# Altium PCB Wireless_Security_Board.PcbDoc (part 1 of 2) (continued)
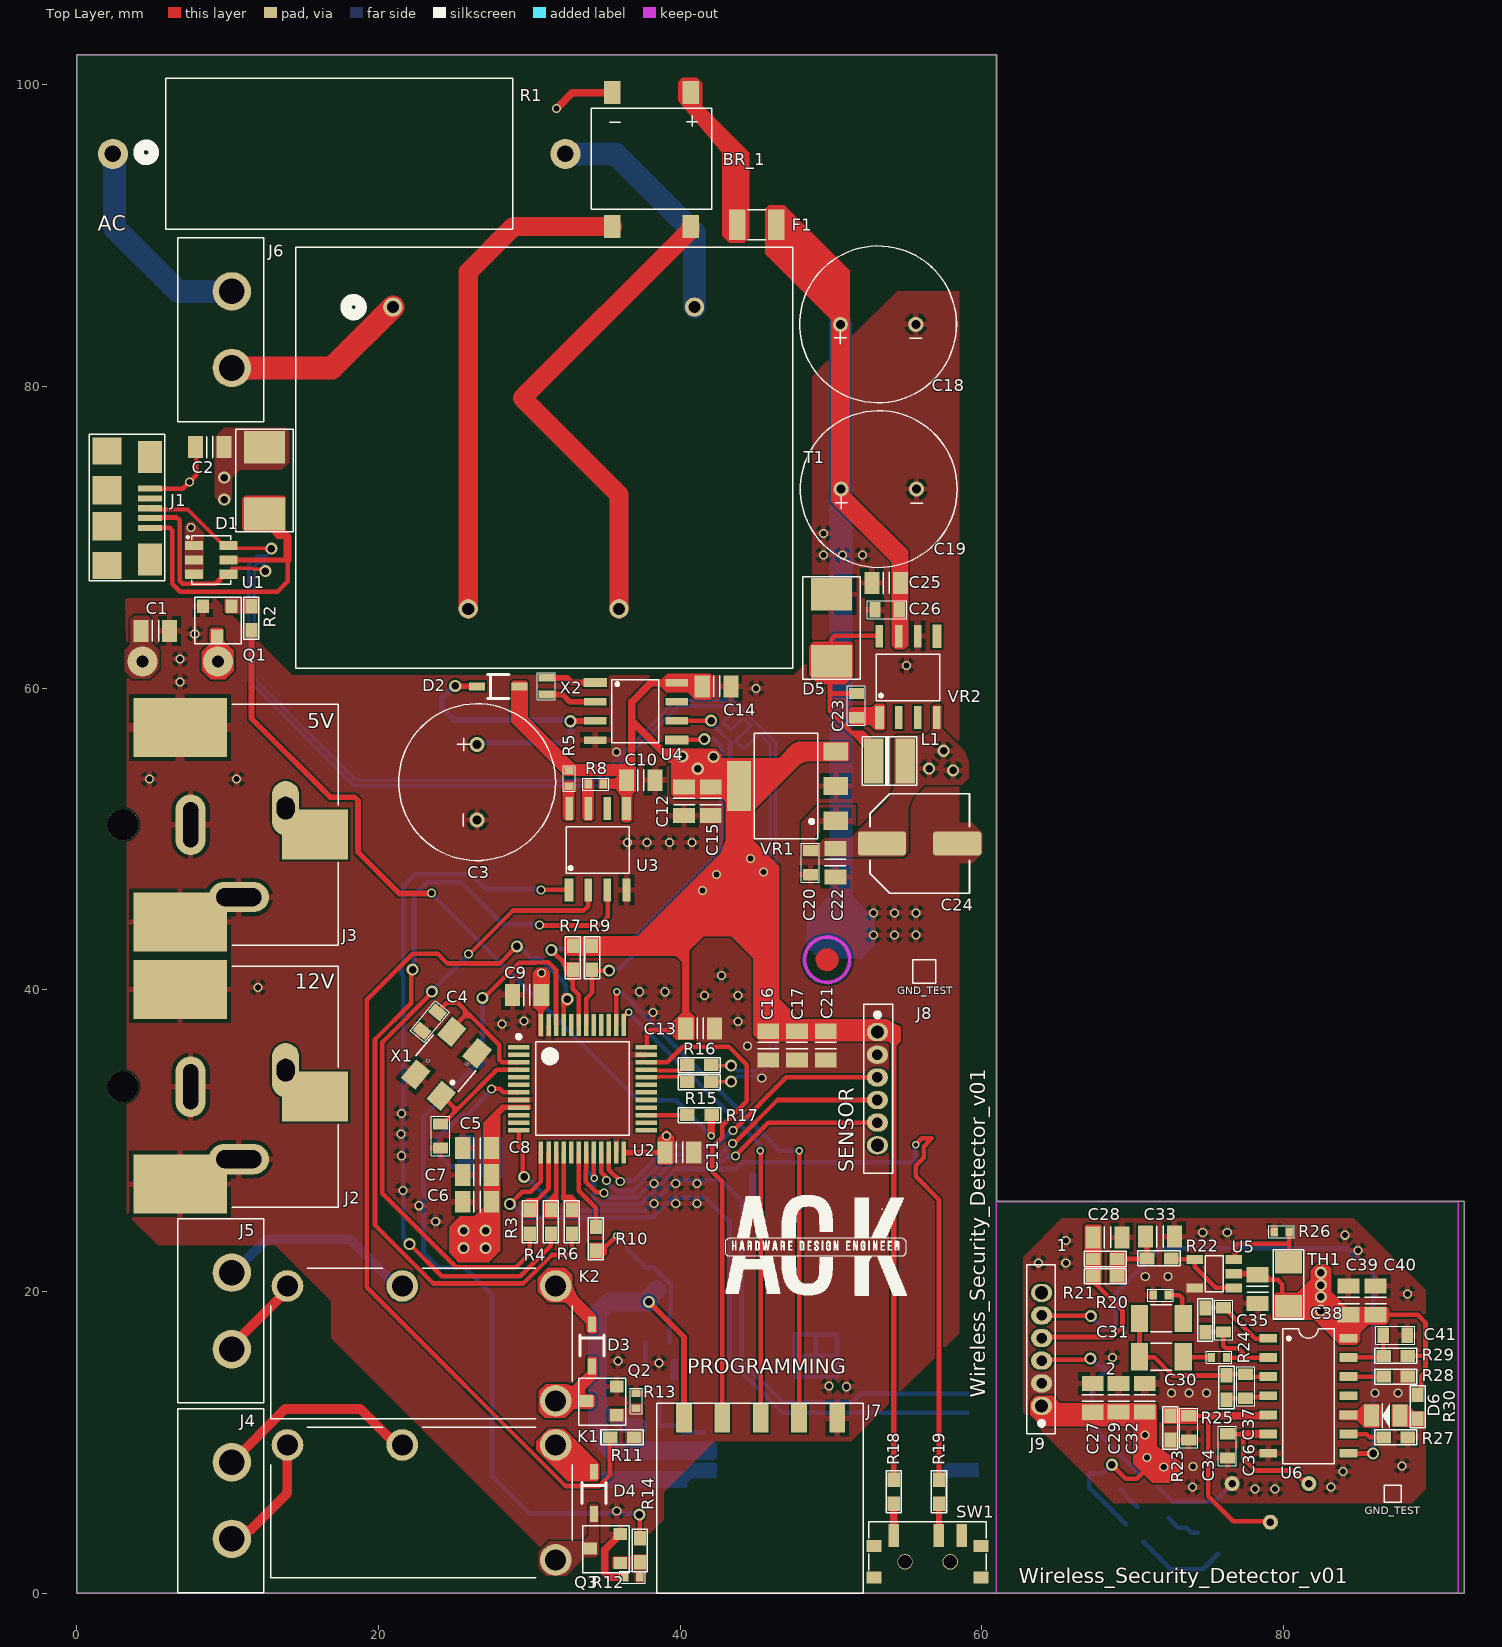
[diagram p0: Top Layer view]
## Part data (continued)
R7 R9: library part "RES 4K7 0603", "SMD Chip Resistor, 4.7 kOhm, ± 5%, 100 mW, 0603 [1608 Metric], Thick Film, General Purpose", Case Code (Metric)=1608, Case Code (Imperial)=0603, Manufacturer=Yageo, Max Operating Temperature=155°C, Max Power Dissipation=100mW, Min Operating Temperature=-55°C, Resistance Tolerance=5%, Resistor Type="Thick Film", Supplier Part Number=311-4.7KGRCT-ND, Temperature Coefficient=100ppm/°C, Voltage Rating=50V, Case/Package=0603, Category="Chip SMD Resistors", ComponentLink1Description=https://datasheet.ciiva.com/46412/443971-46412858.pdf?src-supplier=Element14, ComponentLink1URL=https://datasheet.ciiva.com/46412/443971-46412858.pdf?src-supplier=Element14, Construction=Rectangular, Depth=0.8mm, Designed By="Ahmet Can", Features="Moisture Resistant", Lead Free="Lead Free", Length=1.6mm, Manufacturer Part Number=RC0603JR-074K7L, Military Standard=Not, Number of Terminations=2, Packaging="Tape and Reel", Pins=2, Power Rating=100mW, Pricing="1=0,1, 10=0,014, 50=0,0088, 100=0,0073, 500=0,00486, 1000=0,00415 (USD)", Reach SVHC Compliant=No, RoHS=Yes, RoHS Compliant=Yes, Series=RC, Stock=7017381, Supplier=Digi-Key, Termination=SMD/SMT, Tolerance=5%, Voltage Rating (AC)=50V, Voltage Rating (DC)=50V, Width=0.8mm
R11 R14 R22 R30 R32 R34: library part "RES 1K 0603", "SMD Chip Resistor, 1 kOhm, ± 1%, 63 mW, 0402 [1005 Metric], Thick Film, General Purpose", Case Code (Metric)=1005, Case Code (Imperial)=0402, Manufacturer=Yageo, Max Operating Temperature=155°C, Max Power Dissipation=63mW, Min Operating Temperature=-55°C, Power Rating=62.5mW, Resistance Tolerance=1%, Resistor Type="Thick Film", Supplier Part Number=311-1.00KLRCT-ND, Temperature Coefficient=100ppm/°C, Voltage Rating=50V, Case/Package=0402, Category="Chip SMD Resistors", ComponentLink1Description=https://datasheet.ciiva.com/11819/0900766b80c66297-11819477.pdf?src-supplier=Rs, ComponentLink1URL=https://datasheet.ciiva.com/11819/0900766b80c66297-11819477.pdf?src-supplier=Rs, ComponentLink2Description=https://datasheet.ciiva.com/7983/1018594-7983502.pdf?src-supplier=Element14, ComponentLink2URL=https://datasheet.ciiva.com/7983/1018594-7983502.pdf?src-supplier=Element14, ComponentLink3Description=https://datasheet.ciiva.com/22747/1018594-22747513.pdf?src-supplier=Element14, ComponentLink3URL=https://datasheet.ciiva.com/22747/1018594-22747513.pdf?src-supplier=Element14, ComponentLink4Description=https://datasheet.ciiva.com/12666/pyu-rc0402-51-rohs-l-6-r-12666741.pdf?src-supplier=Mouser, ComponentLink4URL=https://datasheet.ciiva.com/12666/pyu-rc0402-51-rohs-l-6-r-12666741.pdf?src-supplier=Mouser, ComponentLink5Description=https://datasheet.ciiva.com/7849/1018594-7849869.pdf?src-supplier=Element14, ComponentLink5URL=https://datasheet.ciiva.com/7849/1018594-7849869.pdf?src-supplier=Element14, ComponentLink6Description=https://datasheet.ciiva.com/15189/getdatasheetpartid-409289-15189591.pdf?src-supplier=Verical, ComponentLink6URL=https://datasheet.ciiva.com/15189/getdatasheetpartid-409289-15189591.pdf?src-supplier=Verical, ComponentLink7Description=https://datasheet.ciiva.com/7849/1018594-7849871.pdf?src-supplier=Element14, ComponentLink7URL=https://datasheet.ciiva.com/7849/1018594-7849871.pdf?src-supplier=Element14, ComponentLink8Description=https://datasheet.ciiva.com/17063/pyu-rc0402-51-rohs-l-6-r-17063193.pdf?src-supplier=Future+Electronics, ComponentLink8URL=https://datasheet.ciiva.com/17063/pyu-rc0402-51-rohs-l-6-r-17063193.pdf?src-supplier=Future+Electronics, Construction=Rectangular, Depth=0.5mm, Designed By="Ahmet Can", Features="Moisture Resistant", Height=0.32mm, Lead Free="Lead Free", Length=1mm, Manufacturer Part Number=RC0402FR-071KL, Military Standard=Not, Number of Terminations=2, Packaging="Tape and Reel", Pins=2, Pricing="1=0,1, 10=0,014, 50=0,0084, 100=0,007, 500=0,00464, 1000=0,00396, 5000=0,00282 (USD)", Reach SVHC Compliant=No, RoHS=Yes, RoHS Compliant=Yes, Series=RC, Stock=23618166, Supplier=Digi-Key, Technology="THICK FILM", Termination=SMD/SMT, Tolerance=1%, Voltage Rating (AC)=50V, Voltage Rating (DC)=50V, Width=0.5mm
R15 R16: library part "RES 15 0603", "SMD Chip Resistor, 15 Ohm, ± 5%, 100 mW, 0603 [1608 Metric], Thick Film, General Purpose", Case/Package=0603, Manufacturer=Yageo, Supplier Part Number=311-15GRCT-ND, Temperature Coefficient=±100ppm/°C, Tolerance="± 5%", Category="Chip SMD Resistors", ComponentLink1Description=https://datasheet.ciiva.com/7746/443971-7746445.pdf?src-supplier=Element14, ComponentLink1URL=https://datasheet.ciiva.com/7746/443971-7746445.pdf?src-supplier=Element14, ComponentLink2Description=https://datasheet.ciiva.com/7746/443971-7746446.pdf?src-supplier=Element14, ComponentLink2URL=https://datasheet.ciiva.com/7746/443971-7746446.pdf?src-supplier=Element14, ComponentLink3Description=https://datasheet.ciiva.com/2453/pyu-r-int-thick-7-2453085.pdf?src-supplier=Digi-Key, ComponentLink3URL=https://datasheet.ciiva.com/2453/pyu-r-int-thick-7-2453085.pdf?src-supplier=Digi-Key, ComponentLink4Description=https://datasheet.ciiva.com/2453/pyu-r-int-thick-7-2453086.pdf?src-supplier=Digi-Key, ComponentLink4URL=https://datasheet.ciiva.com/2453/pyu-r-int-thick-7-2453086.pdf?src-supplier=Digi-Key, ComponentLink5Description=https://datasheet.ciiva.com/2453/pyu-r-int-thick-7-2453087.pdf?src-supplier=Digi-Key, ComponentLink5URL=https://datasheet.ciiva.com/2453/pyu-r-int-thick-7-2453087.pdf?src-supplier=Digi-Key, Composition="Thick Film", Designed By="Ahmet Can", Features="Moisture Resistant", Manufacturer Part Number=RC0603JR-0715RL, Pricing="1=0,1, 10=0,014, 50=0,0088, 100=0,0073, 500=0,00486, 1000=0,00415 (USD)", RoHS=Yes, Stock=973740, Supplier=Digi-Key
R20 R21 R29: library part "RES 220K 0603", "SMD Chip Resistor, 220 kOhm, ± 5%, 100 mW, 0603 [1608 Metric], Thick Film, General Purpose", Case/Package=0603, Manufacturer=Yageo, Max Operating Temperature=155°C, Min Operating Temperature=-55°C, Supplier Part Number=311-220KGRCT-ND, Temperature Coefficient=±100ppm/°C, Tolerance=±5%, Voltage Rating (AC)=50V, Category="Chip SMD Resistors", ComponentLink1Description=https://datasheet.ciiva.com/2452/pyu-r-int-thick-7-2452923.pdf?src-supplier=Digi-Key, ComponentLink1URL=https://datasheet.ciiva.com/2452/pyu-r-int-thick-7-2452923.pdf?src-supplier=Digi-Key, ComponentLink2Description=https://datasheet.ciiva.com/2452/pyu-r-int-thick-7-2452924.pdf?src-supplier=Digi-Key, ComponentLink2URL=https://datasheet.ciiva.com/2452/pyu-r-int-thick-7-2452924.pdf?src-supplier=Digi-Key, ComponentLink3Description=https://datasheet.ciiva.com/2452/pyu-r-int-thick-7-2452925.pdf?src-supplier=Digi-Key, ComponentLink3URL=https://datasheet.ciiva.com/2452/pyu-r-int-thick-7-2452925.pdf?src-supplier=Digi-Key, Composition="Thick Film", Designed By="Ahmet Can", Features="Moisture Resistant", Manufacturer Part Number=RC0603JR-07220KL, Pricing="1=0,1, 10=0,014, 50=0,0088, 100=0,0073, 500=0,00486, 1000=0,00415 (USD)", RoHS=Yes, Stock=938140, Supplier=Digi-Key
R23: library part "RES 43K 0603", "Res Thick Film 0603 43K Ohm 5% 0.1W(1/10W) ±100ppm/°C Pad SMD T/R", Case/Package=0603, Manufacturer=Yageo, Max Operating Temperature=155°C, Min Operating Temperature=-55°C, Supplier Part Number=311-43KGRCT-ND, Temperature Coefficient=±100ppm/°C, Tolerance=±5%, Category="Chip SMD Resistors", ComponentLink1Description=https://datasheet.ciiva.com/2453/pyu-r-int-thick-7-2453052.pdf?src-supplier=Digi-Key, ComponentLink1URL=https://datasheet.ciiva.com/2453/pyu-r-int-thick-7-2453052.pdf?src-supplier=Digi-Key, ComponentLink2Description=https://datasheet.ciiva.com/2453/pyu-r-int-thick-7-2453053.pdf?src-supplier=Digi-Key, ComponentLink2URL=https://datasheet.ciiva.com/2453/pyu-r-int-thick-7-2453053.pdf?src-supplier=Digi-Key, ComponentLink3Description=https://datasheet.ciiva.com/2453/pyu-r-int-thick-7-2453054.pdf?src-supplier=Digi-Key, ComponentLink3URL=https://datasheet.ciiva.com/2453/pyu-r-int-thick-7-2453054.pdf?src-supplier=Digi-Key, Composition="Thick Film", Designed By="Ahmet Can", Features="Moisture Resistant", Manufacturer Part Number=RC0603JR-0743KL, Pricing="1=0,1, 10=0,014, 50=0,0088, 100=0,0073, 500=0,00486, 1000=0,00415 (USD)", RoHS=Yes, Stock=290453, Supplier=Digi-Key
R27 R28: library part "RES 0K 0603", "Zero Ohm Resistor, Jumper, 0603 [1608 Metric], Thick Film, 100 mW, 1 A, Surface Mount", Case Code (Metric)=1608, Case Code (Imperial)=0603, Manufacturer=Yageo, Max Operating Temperature=155°C, Max Power Dissipation=100mW, Min Operating Temperature=-55°C, Package Quantity=5000, Resistance Tolerance=5%, Resistor Type="Thick Film", Supplier Part Number=311-0.0GRCT-ND, Temperature Coefficient=200ppm/°C, Tolerance=1%, Voltage Rating=50V, Case/Package=0603, Category="Chip SMD Resistors", Construction=Rectangular, Contact Plating=Tin,Matte, Depth=0.8mm, Designed By="Ahmet Can", Features="Moisture Resistant", Height=0.45mm, Lead Free="Lead Free", Length=1.6mm, Manufacturer Part Number=RC0603JR-070RL, Military Standard=Not, Number of Terminations=2, Packaging="Tape and Reel", Pins=2, Power Rating=100mW, Pricing="1=0,1, 10=0,016, 25=0,0112, 50=0,0086, 100=0,0063, 250=0,0048, 500=0,00386, 1000=0,00284 (USD)", Reach SVHC Compliant=Unknown, RoHS=Yes, RoHS Compliant=Yes, Series=RC, Stock=5815021, Supplier=Digi-Key, Technology="THICK FILM", Termination=SMD/SMT, Voltage Rating (DC)=50V, Width=0.8mm
S1: library part "PIR_LHI 878/3902", "Sensor PIR (Passive Infrared) TO-205AA, TO-5-3 Metal Can", Case/Package=LHI, Manufacturer="Excelitas Technologies", Max Supply Voltage=12V, Min Supply Voltage=2V, Supplier Part Number=1601-LHI878/3902-ND, Designed By="Ahmet Can", Manufacturer Product Number="LHI 878/3902", Output Type=Analog, Supplier=Digikey, Type=PIR
SW1: library part SW_EG1215AA, "Slide Switch, SPDT, 0.025A, 24V, SMD", Manufacturer=E-Switch, Max Operating Temperature=70°C, Min Operating Temperature=-20°C, Operating Force=150gf, Supplier Part Number=EG5720CT-ND, Voltage Rating (DC)=24V, Actuator Length=1.4mm, Actuator Type=Standard, Category="Slide Switches", ComponentLink1Description=https://media.digikey.com/pdf/Data%20Sheets/E-Switch%20PDFs/EG1215_Series_Ds.pdf?src-supplier=Digi-Key, ComponentLink1URL=https://media.digikey.com/pdf/Data%20Sheets/E-Switch%20PDFs/EG1215_Series_Ds.pdf?src-supplier=Digi-Key, ComponentLink2Description=http://www.farnell.com/datasheets/2645007.pdf?src-supplier=Farnell, ComponentLink2URL=http://www.farnell.com/datasheets/2645007.pdf?src-supplier=Farnell, Designed By="Ahmet Can", Electrical Life=10000Cycles, Manufacturer Part Number=EG1215AA, Mechanical Life=10000Cycles, Mounting Technology="Surface Mount", Packaging="Cut Tape", Pricing="1=0,99, 10=0,951, 25=0,8884, 100=0,7715, 250=0,702, 500=0,6508, 1000=0,60327 (USD)", RoHS=Yes, RoHS Compliant=Yes, Series=EG, Stock=17783, Supplier=Digi-Key, Switch Function=On-On, Switch Travel=1.5mm, Termination="Gull Wing", Throw Configuration=SPDT
T1: library part T_BV302S12010, "Sealed Transformer EI30/10.5", Manufacturer="Zettler Magnetics", Primary Voltager=230V, Rated Power=1VA, Secondary Voltage=12V, Supplier Part Number=3388-BV302S12010-ND, Category="Power Transformers", Designed By="Ahmet Can", Manufacturer Part Number=BV302S12010, Packaging=Tube, Pricing="1=3,22, 10=2,611, 25=2,1108, 50=1,9776, 100=1,8887, 250=1,83316, 500=1,7776, 1000=1,72205, 5000=1,58318 (USD)", RoHS=No, RoHS Compliant=No, Stock=898, Supplier=Digi-Key
TH1: library part TH_TFPT1206L1002FM, "Thermistor PTC 10K Ohm 1% 2-Pin 1206 Surface Mount Solder Pad T/R Automotive", Case Code (Imperial)=1206, Manufacturer="Vishay Dale", Max Operating Temperature=125°C, Max Power Dissipation=125mW, Min Operating Temperature=-55°C, Package Quantity=5000, Resistance Tolerance=1%, Supplier Part Number=541-3533-1-ND, Voltage=40V, Case/Package=1206, Category=Thermistors, ComponentLink1Description=https://datasheet.ciiva.com/2852/tfpt-2852076.pdf?src-supplier=Digi-Key, ComponentLink1URL=https://datasheet.ciiva.com/2852/tfpt-2852076.pdf?src-supplier=Digi-Key, Designed By="Ahmet Can", Height=0.55mm, Lead Free="Lead Free", Length=3.2mm, Manufacturer Part Number=TFPT1206L1002FM, Mounting Technology="Surface Mount", Packaging="Tape and Reel", Power Rating=125mW, Pricing="1=1,3, 10=0,973, 25=0,778, 100=0,7133, 500=0,59978, 1000=0,53495 (USD)", RoHS=Yes, RoHS Compliant=Yes, Series=TFPT, Stock=53, Supplier=Digi-Key, Termination=SMD/SMT, Tolerance=1%, Width=1.6mm
U1: library part "U_USB PROTECTION", "USBLC6 Series 2 Line 6 V Uni / Bi-Directional ESD Protection - SOT-23-6", Breakdown Voltage=6V, Case/Package=SOT-23, Clamping Voltage=17V, Leakage Current=150nA, Manufacturer=STMicroelectronics, Max Operating Temperature=125°C, Min Operating Temperature=-40°C, Operating Supply Voltage=1.1V, Package Quantity=3000, Peak Pulse Current=5A, Power Line Protection=Yes, Reverse Standoff Voltage=5.25V, Supplier Part Number=497-5235-1-ND, Test Current=1mA, Working Voltage=5V, Category="TVS Diodes", Clamping Voltage-Max=17V, ComponentLink1Description=https://datasheet.ciiva.com/1268/1690354-1268384.pdf?src-supplier=Element14, ComponentLink1URL=https://datasheet.ciiva.com/1268/1690354-1268384.pdf?src-supplier=Element14, ComponentLink2Description=https://datasheet.ciiva.com/4508/cd00050750-113117-4508433.pdf?src-supplier=Mouser, ComponentLink2URL=https://datasheet.ciiva.com/4508/cd00050750-113117-4508433.pdf?src-supplier=Mouser, ComponentLink3Description=https://datasheet.ciiva.com/15143/getdatasheetpartid-148465-15143789.pdf?src-supplier=Verical, ComponentLink3URL=https://datasheet.ciiva.com/15143/getdatasheetpartid-148465-15143789.pdf?src-supplier=Verical, ComponentLink4Description=https://datasheet.ciiva.com/16200/cd00050750-16200026.pdf?src-supplier=Future+Electronics, ComponentLink4URL=https://datasheet.ciiva.com/16200/cd00050750-16200026.pdf?src-supplier=Future+Electronics, ComponentLink5Description=https://datasheet.ciiva.com/41444/001184109-da-01-en-ic-esd-protecti-usblc6-2sc6-sot-23-6-stm-41444156.pdf?src-supplier=Conrad, ComponentLink5URL=https://datasheet.ciiva.com/41444/001184109-da-01-en-ic-esd-protecti-usblc6-2sc6-sot-23-6-stm-41444156.pdf?src-supplier=Conrad, Data Rate=480Mbps, Depth=1.75mm, Designed By="Ahmet Can", Direction=Unidirectional,Bidirectional, ESD Protection=Yes, Height=1.3mm, Lead Free="Lead Free", Length=3.05mm, Manufacturer Part Number=USBLC6-2SC6, Max Breakdown Voltage=6V, Max Reverse Leakage Current=150nA, Min Breakdown Voltage=6V, Mounting Technology="Surface Mount", Number of Bidirectional Channels=2, Number of Channels=2, Number of Elements=1, Packaging="Tape and Reel", Pins=6, Polarity=Unidirectional,Bidirectional, Pricing="1=0,61, 10=0,522, 100=0,3897, 500=0,3062, 1000=0,2366 (USD)", Radiation Hardening=No, Reach SVHC Compliant=No, Reverse Breakdown Voltage=6V, RoHS=Yes, RoHS Compliant=Yes, Series=USB, Stock=113981, Supplier=Digi-Key, Termination=SMD/SMT, Width=1.75mm
U2: library part U_STM32F103C6T6A, "MCU 32-bit STM32F ARM Cortex M3 RISC 32KB Flash 2.5V/3.3V 48-Pin LQFP Tray", Case/Package=LQFP, Clock Frequency=72MHz, Manufacturer=STMicroelectronics, Max Operating Temperature=85°C, Max Supply Voltage=3.6V, Min Operating Temperature=-40°C, Min Supply Voltage=2V, Package Quantity=1500, Supplier Part Number=497-11515-ND, Category=Microcontrollers, ComponentLink1Description=https://datasheet.ciiva.com/15122/getdatasheetpartid-69879-15122075.pdf?src-supplier=Verical, ComponentLink1URL=https://datasheet.ciiva.com/15122/getdatasheetpartid-69879-15122075.pdf?src-supplier=Verical, ComponentLink2Description=https://datasheet.ciiva.com/14100/pustm-arm-microcont-stm32f103-en-14100507.pdf?src-supplier=Distrelec, ComponentLink2URL=https://datasheet.ciiva.com/14100/pustm-arm-microcont-stm32f103-en-14100507.pdf?src-supplier=Distrelec, Core Architecture=ARM, Data Bus Width=32b, Designed By="Ahmet Can", Height=1.4mm, Lead Free="Lead Free", Length=7mm, Manufacturer Part Number=STM32F103C6T6A, Memory Format=FLASH, Memory Size=32KB, Number of ADC Channels=10, Number of Timers/Counters=3, Number of I/Os=37, Packaging=Tray, Pins=48, Pricing="1=6,37, 10=5,723, 25=5,4104, 80=4,689, 250=4,44852, 500=3,99166, 1000=3,36645, 2500=3,19813 (USD)", RAM Size=10KB, RoHS=Yes, RoHS Compliant=Yes, Series=STM32F103C6, Stock=188, Supplier=Digi-Key, Weight=0.006409oz, Width=7mm, Interface=I2C,SPI,USART
U3: library part U_MAX6662MSA+, "Temp Sensor Digital Serial (3-Wire, SPI) 8-Pin SOIC N Tube", Case/Package=SOIC, Manufacturer=Maxim, Max Operating Temperature=150°C, Max Supply Voltage=5.5V, Min Operating Temperature=-55°C, Min Supply Voltage=3V, Supplier Part Number=MAX6662MSA+-ND, Category="Temperature and Humidity Sensors", ComponentLink1Description=https://datasheet.ciiva.com/5299/max6662-89142-5299456.pdf?src-supplier=Mouser, ComponentLink1URL=https://datasheet.ciiva.com/5299/max6662-89142-5299456.pdf?src-supplier=Mouser, ComponentLink2Description=https://datasheet.ciiva.com/2003/max6662-2003390.pdf?src-supplier=Digi-Key, ComponentLink2URL=https://datasheet.ciiva.com/2003/max6662-2003390.pdf?src-supplier=Digi-Key, ComponentLink3Description=https://datasheet.ciiva.com/3277/max6662-3277979.pdf?src-supplier=Avnet, ComponentLink3URL=https://datasheet.ciiva.com/3277/max6662-3277979.pdf?src-supplier=Avnet, Designed By="Ahmet Can", Features="Output Switch, Programmable Limit, Shutdown Mode", Manufacturer Part Number=MAX6662MSA+, Output Type=SPI, Pins=8, Pricing="1=4,61, 10=3,454, 25=3,0704, 50=2,9168, 100=2,8401, 500=2,37956, 1000=2,22604 (USD)", Resolution="12 b", RoHS=Yes, Stock=593, Supplier=Digi-Key
U4: library part RTC_M41T0M6F, "M41T0 Series 2 to 5.5 V Serial I2C Real Time Clock Surface Mount - SOIC-8", Case/Package=SOIC, Manufacturer=STMicroelectronics, Max Operating Temperature=85°C, Max Supply Voltage=5.5V, Min Operating Temperature=-40°C, Min Supply Voltage=2V, Supplier Part Number=497-4698-1-ND, Temperature Grade=INDUSTRIAL, Category="Real Time Clocks", ComponentLink1Description=https://datasheet.ciiva.com/4772/cd00003139-81284-4772149.pdf?src-supplier=Mouser, ComponentLink1URL=https://datasheet.ciiva.com/4772/cd00003139-81284-4772149.pdf?src-supplier=Mouser, ComponentLink2Description=https://datasheet.ciiva.com/41459/001185346-da-01-en-ic-rtc-serial-2-5-5v-m41t0m6f-soic-8-stm-41459817.pdf?src-supplier=Conrad, ComponentLink2URL=https://datasheet.ciiva.com/41459/001185346-da-01-en-ic-rtc-serial-2-5-5v-m41t0m6f-soic-8-stm-41459817.pdf?src-supplier=Conrad, ComponentLink3Description=https://datasheet.ciiva.com/15152/getdatasheetpartid-98630-15152779.pdf?src-supplier=Verical, ComponentLink3URL=https://datasheet.ciiva.com/15152/getdatasheetpartid-98630-15152779.pdf?src-supplier=Verical, Date Format=YY-MM-DD-dd, DesignedBy="Ahmet Can", Height=1.5mm, Lead Free="Lead Free", Length=5mm, Logic Function=Clock, Manufacturer Part Number=M41T0M6F, Memory Size=8B, Mounting Technology="Surface Mount", Nominal Supply Voltage=5.5V, Non-volatile Memory Size=8B, Packaging="Tape and Reel", Pins=8, Pricing="1=2,96, 10=2,655, 25=2,51, 100=2,1754, 250=2,06388, 500=1,8519, 1000=1,56185 (USD)", Radiation Hardening=No, RoHS=Yes, RoHS Compliant=Yes, Series=-, Stock=30971, Supplier=Digi-Key, Time Format=HH:MM:SS, Weight=0.019048oz, Width=4mm, Interface=I2C,Serial,2-Wire
U5: library part U_OPA314AIDBVR, "IC OPAMP GP 3MHZ RRO SOT23-5", Cse/Package=SOT-23-5, Manufacturer="Texas Instruments", Max Operating Temperature=125°C, Max Supply Voltage="5.5 V", Min Operating Temperature=-40°C, Min Supply Voltage="1.8 V", Supplier Part Number=296-36699-1-ND, Input Bias Current="0.2 pA", Input Offset Current="500 µV", Category="Amplifiers - Op Amps, Buffer, Instrumentation", ComponentLink1Description=https://datasheet.ciiva.com/14456/opa2314-14456281.pdf?src-supplier=Avnet, ComponentLink1URL=https://datasheet.ciiva.com/14456/opa2314-14456281.pdf?src-supplier=Avnet, ComponentLink2Description=https://datasheet.ciiva.com/14462/opa2314-14462006.pdf?src-supplier=Avnet, ComponentLink2URL=https://datasheet.ciiva.com/14462/opa2314-14462006.pdf?src-supplier=Avnet, ComponentLink3Description=https://datasheet.ciiva.com/29638/opa314-29638827.pdf?src-supplier=Digi-Key, ComponentLink3URL=https://datasheet.ciiva.com/29638/opa314-29638827.pdf?src-supplier=Digi-Key, Designed By="Ahmet Can", Gain Bandwidth Product="3 MHz", Manufacturer Part Number=OPA314AIDBVR, Pricing="1=1,16, 10=1,034, 25=0,9812, 100=0,8061, 250=0,75352, 500=0,6659, 1000=0,5257 (USD)", RoHS=Yes, Slew Rate=1.5V/µs, Stock=9278, Supplier=Digi-Key
U6: library part U_PIR_NCS36000DRG, "NCS36000 Series Single 5.75V Passive Infrared Detector Controller (PIR) -SOIC-14", Case/Package=14-SOIC, Manufacturer="ON Semiconductor", Max Operating Temperature=85°C, Min Operating Temperature=-40°C, Supplier Part Number=NCS36000DRGOSCT-ND, Supply Current="50 µA", Category="Amplifiers - Op Amps, Buffer, Instrumentation", ComponentLink1Description=https://datasheet.ciiva.com/1781/ncs36000-d-1781637.pdf?src-supplier=Digi-Key, ComponentLink1URL=https://datasheet.ciiva.com/1781/ncs36000-d-1781637.pdf?src-supplier=Digi-Key, ComponentLink2Description=https://datasheet.ciiva.com/4763/ncs36000-d-89569-4763639.pdf?src-supplier=Mouser, ComponentLink2URL=https://datasheet.ciiva.com/4763/ncs36000-d-89569-4763639.pdf?src-supplier=Mouser, ComponentLink3Description=https://datasheet.ciiva.com/1781/ncs36000-d-1781638.pdf?src-supplier=Digi-Key, ComponentLink3URL=https://datasheet.ciiva.com/1781/ncs36000-d-1781638.pdf?src-supplier=Digi-Key, ComponentLink4Description=https://datasheet.ciiva.com/1781/ncs36000-d-1781639.pdf?src-supplier=Digi-Key, ComponentLink4URL=https://datasheet.ciiva.com/1781/ncs36000-d-1781639.pdf?src-supplier=Digi-Key, ComponentLink5Description=https://datasheet.ciiva.com/2965/ncs36000-d-2965212.pdf?src-supplier=Avnet, ComponentLink5URL=https://datasheet.ciiva.com/2965/ncs36000-d-2965212.pdf?src-supplier=Avnet, ComponentLink6Description=https://datasheet.ciiva.com/2966/ncs36000-d-2966525.pdf?src-supplier=Avnet, ComponentLink6URL=https://datasheet.ciiva.com/2966/ncs36000-d-2966525.pdf?src-supplier=Avnet, Designed By="Ahmet Can", Manufacturer Part Number=NCS36000DRG, Output Type=Digital, Pricing="1=1,1, 10=0,983, 25=0,9332, 100=0,7166, 250=0,63328, 500=0,59994, 1000=0,46662 (USD)", RoHS=Yes, Stock=18514, Supplier=Digi-Key, Type="Detector Controller", Input Type=Digital
U7: library part U_ESP32-WROOM-32E-N4, "SMD module, ESP32-D0WD-V3, ESP32 ECO V3, 4 MB SPI flash, PCB antenna", Case/Package="38-SMD Module", Manufacturer="Espressif Systems", Manufacturer Part Number=ESP32-WROOM-32E(M113EH3200PH3Q0), Max Operating Temperature="85 °C", Max Supply Voltage=3.6V, Min Operating Temperature="–40 °C", Min Supply Voltage=3V, Nominal Supply Voltage=3.3V, Supplier Part Number=1965-ESP32-WROOM-32E-N4TR-ND, Category="RF Receivers, Transceivers", Designed By="Ahmet Can", Pins=38, Pricing="650=2,94 (USD)", RoHS=No, Stock=15684, Supplier=Digi-Key
VR1: library part VR_AP7361EA-33E-13, "Ldo Cmos Hicurr SOT223 T&r 2.5K", Case/Package=SOT-223-3, Manufacturer=Diodes, Max Operating Temperature=85°C, Max Supply Voltage=6V, Min Operating Temperature=-40°C, Min Supply Voltage=2.2V, Supplier Part Number=31-AP7361EA-33E-13CT-ND, Category="Voltage Regulators - Linear, Low Drop Out (LDO) Regulators", Designed By="Ahmet Can", Manufacturer Part Number=AP7361EA-33E-13, Pricing="1=0,45, 10=0,361, 25=0,33, 100=0,2456, 250=0,2226, 500=0,18422, 1000=0,13817 (USD)", RoHS=No, Stock=4865, Supplier=Digi-Key
VR2: library part VR_LM2675MX-12/NOPB, "SIMPLE SWITCHER® 6.5V to 40V, 1A Low Component Count Step-Down Regulator 8-SOIC -40 to 125", Case/Package="SOIC 8", Manufacturer="TI National Semiconductor", Max Operating Temperature=125°C, Max Output current=1A, Max Supply Voltage=40V, Min Operating Temperature=-40°C, Min Input Voltage=8V, Output Voltage=12V, Package Quantity=2500, Quiescent Current=2.5mA, Supplier Part Number=296-35410-1-ND, Switching Frequency=260kHz, Category="Voltage Regulators - Switching", ComponentLink1Description=https://datasheet.ciiva.com/41457/001013881-da-01-en-ic-reg-buck-lm2675mx-12-nopb-soic-8-tid-41457896.pdf?src-supplier=Conrad, ComponentLink1URL=https://datasheet.ciiva.com/41457/001013881-da-01-en-ic-reg-buck-lm2675mx-12-nopb-soic-8-tid-41457896.pdf?src-supplier=Conrad, ComponentLink2Description=https://datasheet.ciiva.com/3220/lm2675-3220840.pdf?src-supplier=Avnet, ComponentLink2URL=https://datasheet.ciiva.com/3220/lm2675-3220840.pdf?src-supplier=Avnet, Designed By="Ahmet Can", Efficiency=94%, Lead Free="Lead Free", Manufacturer Part Number=LM2675MX-12/NOPB, Mounting Technology="Surface Mount", Number of Outputs=1, Operating Supply Voltage=40V, Output Current=1A, Output Type=Fixed, Packaging="Tape and Reel", Pins=8, Pricing="1=4,71, 10=4,231, 25=3,9996, 100=3,4663, 250=3,28856, 500=2,95082, 1000=2,48864 (USD)", Radiation Hardening=No, RoHS=Yes, RoHS Compliant=Yes, Series=LM2675, Supplier=Digi-Key
X1: library part "XTAL_CRYSTAL 16 MHz", "Crystal 16MHz ±30ppm (Tol) ±100ppm (Stability) 20pF FUND 50Ohm 4-Pin SMD T/R", Frequency=16MHz, Frequency Stability=±50ppm, Frequency Tolerance=±30ppm, Load Capacitance=20pF, Manufacturer="ECS International", Manufacturer Part Number=ECS-160-20-30B-DU, Max Operating Temperature=70°C, Min Operating Temperature=-20°C, Operating Mode=Fundamental, Supplier Part Number=XC1513CT-ND, Category=Crystals, ComponentLink1Description=https://datasheet.ciiva.com/853/ecx-53b-du-853415.pdf?src-supplier=Digi-Key, ComponentLink1URL=https://datasheet.ciiva.com/853/ecx-53b-du-853415.pdf?src-supplier=Digi-Key, ComponentLink2Description=https://datasheet.ciiva.com/853/ecx-53b-du-853416.pdf?src-supplier=Digi-Key, ComponentLink2URL=https://datasheet.ciiva.com/853/ecx-53b-du-853416.pdf?src-supplier=Digi-Key, ComponentLink3Description=https://datasheet.ciiva.com/853/ecx-53b-du-853417.pdf?src-supplier=Digi-Key, ComponentLink3URL=https://datasheet.ciiva.com/853/ecx-53b-du-853417.pdf?src-supplier=Digi-Key, Designed By="Ahmet Can", ESR="50 Ohms", Pricing="1=0,87, 10=0,767, 50=0,7172, 100=0,6338, 500=0,60042 (USD)", RoHS=Yes, Stock=31156, Supplier=Digi-Key
X2: library part "XTAL_CRYSTAL 32.768 KHz", "CRYSTAL 32.768kHz ±20ppm Crystal 12.5pF 90 kOhm -40°C ^ 85°C Surface Mount 2-SMD", Case/Package=CSMD, ESR (Equivalent Series Resistance)=90kR, Frequency=32.768kHz, Frequency Tolerance=20ppm, Load Capacitance=12.5pF, Manufacturer=Abracon, Max Operating Temperature=85°C, Min Operating Temperature=-40°C, Operating Frequency="32.768 kHz", Package Quantity=3000, Supplier Part Number=535-11899-1-ND, Category=Crystals, ComponentLink1Description=https://datasheet.ciiva.com/23810/abs05-23810480.pdf?src-supplier=Newark, ComponentLink1URL=https://datasheet.ciiva.com/23810/abs05-23810480.pdf?src-supplier=Newark, ComponentLink2Description=https://datasheet.ciiva.com/6728/abs05-6728949.pdf?src-supplier=Digi-Key, ComponentLink2URL=https://datasheet.ciiva.com/6728/abs05-6728949.pdf?src-supplier=Digi-Key, ComponentLink3Description=https://datasheet.ciiva.com/6728/abs05-6728950.pdf?src-supplier=Digi-Key, ComponentLink3URL=https://datasheet.ciiva.com/6728/abs05-6728950.pdf?src-supplier=Digi-Key, ComponentLink4Description=https://datasheet.ciiva.com/16411/abs05-16411149.pdf?src-supplier=Future+Electronics, ComponentLink4URL=https://datasheet.ciiva.com/16411/abs05-16411149.pdf?src-supplier=Future+Electronics, Depth=1mm, Designed By="Ahmet Can", ESR=90kR, Height=0.5mm, Lead Free="Lead Free", Length=1.6mm, Manufacturer Part Number=ABS05-32.768KHZ-T, Mounting Technology="Surface Mount", Packaging="Tape and Reel", Pins=2, Pricing="1=0,72, 10=0,603, 50=0,5426, 100=0,4823, 500=0,4582, 1000=0,38586 (USD)", Radiation Hardening=No, Reach SVHC Compliant=No, RoHS=Yes, RoHS Compliant=Yes, Series=ABS05, Stock=306117, Supplier=Digi-Key, Termination=SMD/SMT, Tolerance=20ppm, Width=1mm

## Via types
v1: diameter 0.6, hole 0.4, Top Layer to GND, 77 vias
v2: diameter 0.8, hole 0.5, Top Layer to PWR, 22 vias
v3: diameter 0.8, hole 0.5, PWR to Bottom Layer, 19 vias
v4: diameter 0.8, hole 0.5, Top Layer to Bottom Layer, 18 vias
v5: diameter 0.6, hole 0.4, Top Layer to Bottom Layer, 15 vias
v6: diameter 0.6, hole 0.4, GND to Bottom Layer, 13 vias
v7: diameter 0.5, hole 0.3, Top Layer to Bottom Layer, 8 vias
v8: diameter 0.6, hole 0.4, Top Layer to PWR, 5 vias

## Nets (pads, with @x,y where several pads share a name; then routed paths per layer and width w, separated by ;. In a path a pad name is that pad's centre, name@x,y a point inside that pad or via, vN(x,y) a via of type N, cw(c..) or ccw(c..) an arc to the next point about the centre after c; other vN are vias at no path point)
3V3DC: C6.1 C7.1 C8.1 C9.1 C10.2 C11.1 C12.1 C13.1 C14.1 C15.1 C16.2 C17.2 C21.2 C42.1 C43.1 C44.1 D2.2 J7.1 J8.1 R5.2 R7.1 R8.2 R9.1 R18.1 R34.1 U2.9 U2.24 U2.36 U2.48 U3.5 U4.8 U7.2 VR1.3 | length 78.2
  Top Layer w0.305: U2.36@37.795,36.202 37.795,37.091
  Top Layer w0.381: 36.436,29.227 37.661,29.227 C11.1@39.004,29.227 ; 37.795,37.091 38.018,37.314 40.238,37.314 C13.1@40.376,37.452 ; v4(37.935,19.317) 40.259,16.993 J7.1@40.259,11.608 ; C13.1@40.386,36.914 C13.1@40.386,37.314 ; J8.1@53.086,37.202 53.243,37.359 53.786,37.359 53.823,37.395 54.017,37.202 ; R18.1@54.166,7.531 54.166,36.923 54.231,36.988
  Top Layer w0.508: C10.2@36.449,53.899 36.797,54.246 36.797,57.85 ; U4.8@39.784,60.376 39.768,60.36 38.073,60.36 36.797,59.084 36.797,57.85 ; 40.259,53.962 40.145,54.077 v2(40.145,55.486) 40.089,55.43 39.502,55.43 39.367,55.296 39.35,55.296 36.797,57.85 ; C13.1@40.386,37.314 40.386,43.502
  Top Layer w0.635: 54.017,37.202 54.231,36.988
  Bottom Layer w1.27: 34.519,12.319 34.519,18.522 35.313,19.317 v4(37.935,19.317) 37.935,19.564 38.455,20.084
  other v2: 41.173,54.661 42.215,55.448
  other v4: 25.654,22.885 27.102,22.885 25.654,24.041 27.102,24.041
  other v5: 30.798,41.11
  other v8: 39.103,30.302 41.478,46.596 42.418,47.663 45.542,47.828 44.679,48.704
3V3DC_2: C27.2 C29.2 C32.2 C38.1 C39.2 C40.2 J9.1 R29.1 R30.2 R31.1 TH1.1 U5.2 U6.14 | length 27.7
  Top Layer w0.305: v4(68.631,8.522) 69.558,7.595 70.282,7.595 70.803,8.115 C32.2@70.803,12.004 ; C38.1@78.217,21.184 C38.1@78.283,21.118 78.623,20.777 79.629,20.777 79.934,20.472 79.934,19.439 TH1.1@80.34,19.033 ; C40.2@86.106,18.453 88.913,18.453 89.421,17.945 89.421,15.914 ; R29.1@88.252,15.735 89.242,15.735 89.421,15.914 ; R30.2@88.9,13.157 89.148,13.405 89.148,14.434 89.421,14.707 89.421,15.914
  Top Layer w0.381: U5.2@76.713,21.184 C38.1@78.217,21.184
  Bottom Layer w0.305: v4(68.631,8.522) 68.575,8.522 67.964,7.91 67.169,7.91 67.107,7.849 67.126,7.83 67.126,6.991 R31.1@69.582,4.535
  other v2: 82.486,18.745 82.486,19.647 82.486,20.434 82.486,21.247
  other v5: 72.065,8.377 70.968,8.992 70.828,10.49
5VDC: C1.1 C2.1 C20.2 C22.2 C24.1 D1.1 J3.1 L1.2 LS1.1 VR1.1 VR2.4
  other v4: 58.103,54.559 56.515,54.673 57.468,55.855 9.779,72.503 9.779,73.963
12VDC: C18.1 C19.1 C25.2 C26.2 D3.1 D4.1 F1.2 J2.1 K1.3 K2.3 VR2.7 | length 39.9
  Bottom Layer w1.27: K1.3@31.591,9.989 K1.3@31.75,9.83
  Bottom Layer w1.524: C18.1@50.626,84.125 50.626,73.25 C19.1@50.673,73.203 50.673,44.552 50.698,44.526
  other v3: 49.809,43.497 51.448,43.497 49.886,44.818 51.448,44.818
AC_LINE_1: J6.1 R1.1 | length 14.5
  Bottom Layer w1.524: R1.1@2.399,95.428 2.49,95.337 2.49,90.535 6.71,86.315 J6.1@10.287,86.315